# Altium PCB RFSOC_SAWG.PcbDoc (part 7 of 15) (continued)
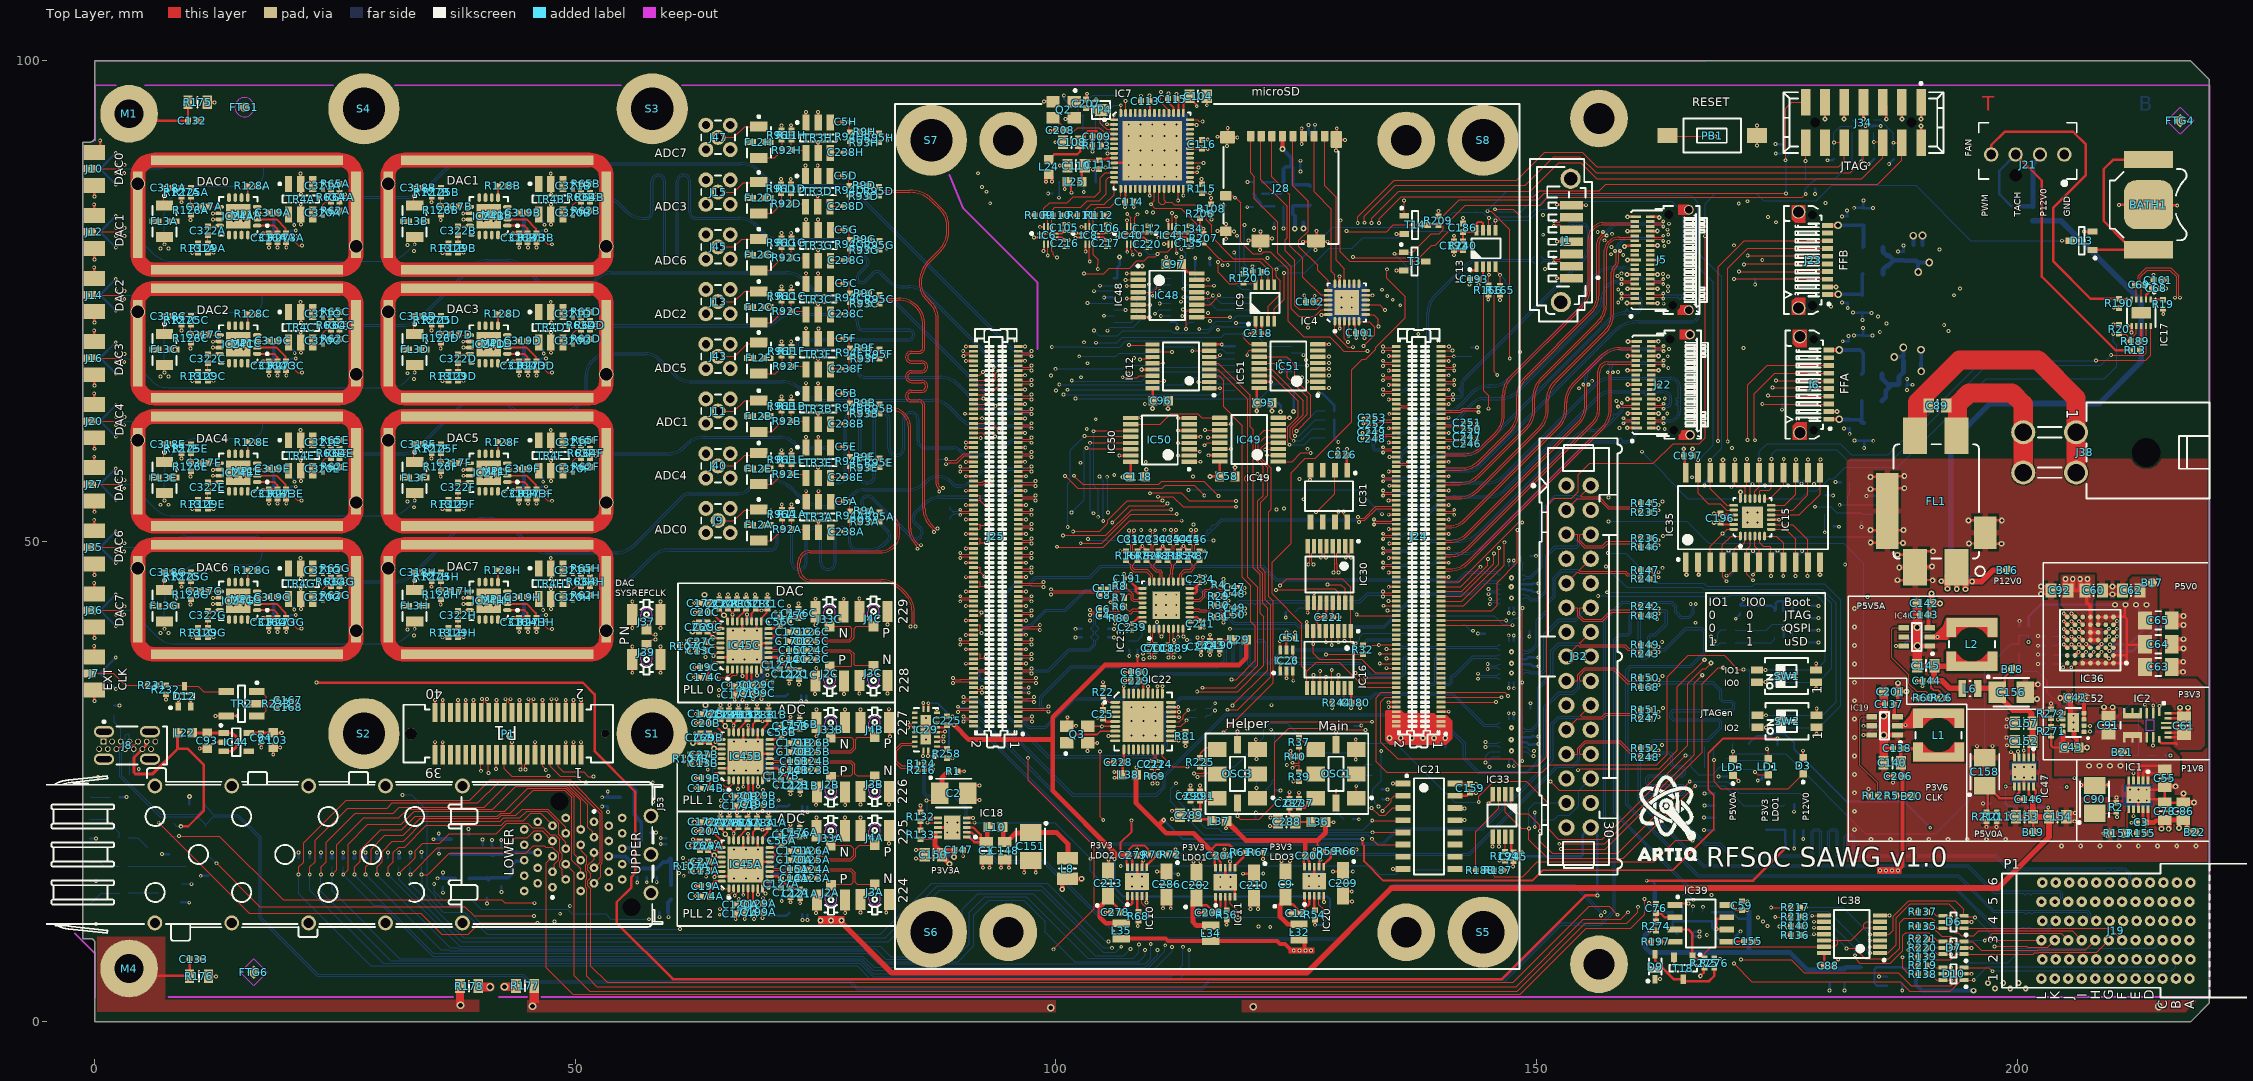
[diagram p0: Top Layer view]
## Nets (pads, with @x,y where several pads share a name; then routed paths per layer and width w, separated by ;. In a path a pad name is that pad's centre, name@x,y a point inside that pad or via, vN(x,y) a via of type N, cw(c..) or ccw(c..) an arc to the next point about the centre after c; other vN are vias at no path point) (continued)
DAC0C_P: J25.139 R64C.2 R65C.2 | length 83.6
  Top Layer w0.093: R65C.2@25.492,73.864 25.484,73.857 R64C.2@25.484,72.947 25.691,72.741 v1(26.1,72.741) ; J25.139@96.085,65.272 96.4,65.272 96.54,65.132 97.35,65.132 97.45,65.232 v1(97.45,65.286)
  Bottom Layer w0.093: v1@26,72.741 26.054,72.741 26.208,72.587 31.999,72.587 ccw(c31.999,75.127) 33.795,73.331 38.951,78.487 cw(c40.901,76.537) 40.901,79.295 42.924,79.295 cw(c42.924,76.539) 44.873,78.488 46.502,76.859 ccw(c47.55,77.907) 47.55,76.425 50.148,76.425 ccw(c50.148,78.965) 51.944,77.169 52.201,77.426 cw(c53.696,75.93) 53.696,78.045 71.924,78.045 cw(c71.924,75.289) 73.873,77.239 ; 73.873,77.238 75.038,76.073 ccw(c76.834,77.869) 76.834,75.329 81.84,75.329 cw(c81.84,72.573) 83.789,74.523 ; 83.789,74.522 92.435,65.876 ccw(c94.231,67.672) 94.231,65.132 97.242,65.132 97.396,65.286 v1(97.45,65.286)
DAC0D_N: J25.131 R62D.2 R64D.1 | length 83.5
  Top Layer w0.093: R62D.2@51.537,71.072 51.537,71.99 R64D.1@51.519,72.007 51.726,72.214 v1(52.136,72.214) ; J25.131@96.085,63.272 96.4,63.272 96.54,63.412 97.35,63.412 97.45,63.312 v1(97.45,63.259)
  Bottom Layer w0.093: v1(52.136,72.214) 52.206,72.214 52.344,72.352 69.771,72.352 ccw(c69.771,74.025) 70.953,72.842 70.956,72.844 cw(c72.538,71.262) 72.538,73.5 78.425,73.5 cw(c78.425,72.65) 79.275,72.65 79.275,72.493 ccw(c79.891,72.493) 79.891,71.877 84.702,71.877 cw(c84.702,71.48) 84.702,71.084 73.566,71.084 ccw(c73.566,70.467) 73.566,69.851 81.345,69.851 cw(c81.345,69.454) 81.345,69.058 79.891,69.058 ccw(c79.891,68.441) 79.275,68.441 79.275,67.755 ccw(c80.05,67.755) 80.05,66.98 87.918,66.98 cw(c87.918,64.44) 89.71,66.24 cw(c87.918,64.44) 89.714,66.236 91.883,64.067 ccw(c93.834,66.017) 91.887,64.063 ccw(c93.834,66.017) 93.83,63.259 ccw(c93.834,66.017) 93.834,63.259 v1(97.45,63.259)
DAC0D_P: J25.133 R64D.2 R65D.2 | length 83.6
  Top Layer w0.093: R65D.2@51.527,73.864 51.519,73.857 R64D.2@51.519,72.947 51.726,72.741 v1(52.136,72.741) ; J25.133@96.085,63.772 96.4,63.772 96.54,63.632 97.35,63.632 97.45,63.732 v1(97.45,63.786)
  Bottom Layer w0.093: v1(52.136,72.741) 52.176,72.741 52.344,72.572 69.768,72.572 ccw(c69.768,74.032) 70.8,73 70.803,73.003 cw(c72.534,71.272) 72.534,73.72 78.425,73.72 cw(c78.425,72.65) 79.495,72.65 79.495,72.493 ccw(c79.891,72.493) 79.891,72.097 84.702,72.097 cw(c84.702,71.48) 84.702,70.864 73.566,70.864 ccw(c73.566,70.467) 73.566,70.071 81.345,70.071 cw(c81.345,69.454) 81.345,68.838 79.891,68.838 ccw(c79.891,68.441) 79.495,68.441 79.495,67.755 ccw(c80.05,67.755) 80.05,67.2 87.919,67.2 cw(c87.919,64.444) 89.868,66.393 92.038,64.223 ccw(c93.834,66.019) 93.834,63.479 97.089,63.479 97.396,63.786 v1(97.45,63.786)
DAC0E_N: J25.125 R62E.2 R64E.1 | length 83.4
  Top Layer w0.093: R62E.2@25.502,57.737 25.502,58.655 R64E.1@25.484,58.672 25.691,58.879 v1(26.05,58.879) ; J25.125@96.085,61.772 96.4,61.772 96.54,61.912 97.35,61.912 97.45,61.812 v1(97.45,61.759)
  Bottom Layer w0.093: v1(26.05,58.879) 26.119,58.879 26.258,59.017 32.079,59.017 ccw(c32.079,61.49) 33.827,59.742 38.205,64.12 cw(c39.425,62.9) 39.425,64.625 41.398,64.625 cw(c41.398,62.085) 43.194,63.881 ccw(c44.102,64.789) 44.102,63.505 49.086,63.505 ccw(c49.086,65.147) 50.247,63.986 50.563,64.302 ccw(c48.916,65.949) 51.245,65.949 51.245,67.266 cw(c53.222,67.266) 51.824,68.664 cw(c53.6,66.889) 53.6,69.4 57.322,69.4 cw(c57.322,67.522) 58.65,68.85 60.192,67.308 ccw(c62.142,69.258) 62.139,66.5 ccw(c62.142,69.258) 62.142,66.5 71.523,66.5 cw(c71.523,63.96) 73.319,65.756 73.752,65.323 ; 73.753,65.322 ccw(c75.546,67.117) 75.546,64.58 87.093,64.58 cw(c87.093,62.04) 88.889,63.836 90.114,62.611 ccw(c91.8,64.296) 90.116,62.609 ccw(c91.8,64.296) 91.8,61.912 97.242,61.912 97.396,61.759 v1(97.45,61.759)
DAC0E_P: J25.127 R64E.2 R65E.2 | length 83.4
  Top Layer w0.093: R65E.2@25.492,60.529 25.484,60.522 R64E.2@25.484,59.612 25.691,59.406 v1(26.05,59.406) ; J25.127@96.085,62.272 96.4,62.272 96.54,62.132 97.35,62.132 97.45,62.232 v1(97.45,62.286)
  Bottom Layer w0.093: v1(26.05,59.406) 26.089,59.406 26.258,59.237 32.075,59.237 ccw(c32.075,61.499) 33.674,59.9 38.051,64.277 cw(c39.423,62.905) 39.423,64.845 41.399,64.845 cw(c41.399,62.089) 43.348,64.038 ccw(c44.103,64.793) 44.103,63.725 48.995,63.725 ccw(c48.995,65.367) 50.156,64.206 50.343,64.393 ccw(c48.696,66.04) 51.025,66.04 51.025,67.27 cw(c53.214,67.27) 51.666,68.817 51.733,68.884 cw(c53.509,67.109) 53.509,69.62 57.325,69.62 cw(c57.325,67.528) 58.804,69.007 60.347,67.464 ccw(c62.143,69.26) 62.143,66.72 71.524,66.72 cw(c71.524,63.964) 73.473,65.914 ; 73.473,65.913 73.843,65.543 ; 73.844,65.542 ccw(c75.637,67.337) 75.637,64.8 87.094,64.8 cw(c87.094,62.044) 89.043,63.994 ; 89.043,63.993 90.206,62.831 ccw(c91.891,64.516) 90.207,62.829 ccw(c91.891,64.516) 91.891,62.132 97.242,62.132 97.396,62.286 v1(97.45,62.286)
DAC0F_N: J25.119 R62F.2 R64F.1 | length 83.6
  Top Layer w0.093: R62F.2@51.537,57.737 51.537,58.655 R64F.1@51.519,58.672 51.726,58.879 v1(52.116,58.879) ; J25.119@96.085,60.272 96.4,60.272 96.54,60.412 97.35,60.412 97.45,60.312 v1(97.45,60.259)
  Bottom Layer w0.093: v1(52.116,58.879) 52.185,58.879 52.324,59.017 59.687,59.017 ccw(c59.687,61.412) 61.38,59.719 61.642,59.981 cw(c63.438,58.185) 63.438,60.725 71.206,60.725 cw(c71.206,58.506) 72.775,60.075 72.776,60.074 ccw(c73.884,61.181) 73.727,59.623 ccw(c73.884,61.181) 73.884,59.615 74.161,59.615 75.83,59.615 cw(c75.83,58.969) 76.477,58.969 76.477,56.846 ccw(c77.343,56.846) 78.21,56.846 78.21,62.625 cw(c78.856,62.625) 79.503,62.625 79.503,56.846 ccw(c80.369,56.846) 81.236,56.846 81.236,62.625 cw(c81.882,62.625) 82.529,62.625 82.529,59.692 ccw(c83.395,59.692) 84.262,59.692 84.262,62.625 cw(c84.908,62.625) 85.555,62.625 85.555,60.482 ccw(c86.421,60.482) 86.421,59.615 89.059,59.615 89.327,59.615 cw(c89.327,58.777) 89.443,59.607 cw(c89.327,58.777) 89.919,59.369 89.921,59.368 ccw(c91.038,60.485) 91.038,58.905 92.738,58.905 ccw(c92.738,61.663) 94.688,59.713 95.075,60.1 cw(c95.829,59.346) 95.829,60.412 97.242,60.412 97.396,60.259 v1(97.45,60.259)
DAC0F_P: J25.121 R64F.2 R65F.2 | length 83.5
  Top Layer w0.093: R65F.2@51.527,60.529 51.527,59.62 R64F.2@51.519,59.612 51.726,59.406 v1(52.116,59.406) ; J25.121@96.085,60.772 96.4,60.772 96.54,60.632 97.35,60.632 97.45,60.732 v1(97.45,60.786)
  Bottom Layer w0.093: v1(52.116,59.406) 52.155,59.406 52.324,59.237 59.686,59.237 ccw(c59.686,61.414) 61.225,59.875 61.487,60.137 cw(c63.437,58.187) 63.437,60.945 71.208,60.945 cw(c71.208,58.511) 72.929,60.232 72.931,60.231 ccw(c73.886,61.186) 73.825,59.836 ccw(c73.886,61.186) 73.886,59.835 74.161,59.835 75.83,59.835 cw(c75.83,58.969) 76.697,58.969 76.697,56.846 ccw(c77.343,56.846) 77.99,56.846 77.99,62.625 cw(c78.856,62.625) 79.723,62.625 79.723,56.846 ccw(c80.369,56.846) 81.016,56.846 81.016,62.625 cw(c81.882,62.625) 82.749,62.625 82.749,59.692 ccw(c83.395,59.692) 84.042,59.692 84.042,62.625 cw(c84.908,62.625) 85.775,62.625 85.775,60.482 ccw(c86.421,60.482) 86.421,59.835 89.059,59.835 89.33,59.835 cw(c89.33,58.784) 89.549,59.812 cw(c89.33,58.784) 90.073,59.527 90.075,59.525 ccw(c91.041,60.491) 91.041,59.125 92.737,59.125 ccw(c92.737,61.665) 94.533,59.869 94.92,60.256 cw(c95.828,59.348) 95.828,60.632 97.242,60.632 97.396,60.786 v1(97.45,60.786)
DAC0G_N: J25.107 R62G.2 R64G.1 | length 83.6
  Top Layer w0.093: R62G.2@25.502,44.402 25.484,44.419 R64G.1@25.484,45.337 25.691,45.544 v1(26.1,45.544) ; J25.107@96.085,57.272 96.4,57.272 96.54,57.412 97.35,57.412 97.45,57.312 v1(97.45,57.259)
  Bottom Layer w0.093: v1(26.1,45.544) 26.169,45.544 26.308,45.682 31.226,45.682 ccw(c31.226,48.44) 33.176,46.49 37.717,51.031 cw(c40.693,48.055) 40.693,52.264 cw(c40.693,48.055) 43.669,51.031 45.187,49.513 ccw(c47.137,51.463) 45.19,49.51 ccw(c47.137,51.463) 47.137,48.705 54.213,48.705 ccw(c54.213,51.463) 56.162,49.512 61.245,54.595 cw(c61.8,54.04) 61.8,54.825 66.807,54.825 ccw(c66.807,56.767) 68.18,55.394 cw(c70.255,53.32) 70.255,56.254 cw(c70.255,53.018) 72.544,55.306 73.202,54.648 ccw(c75.953,57.399) 75.953,53.509 76.081,53.509 ccw(c76.081,57.448) 79.081,54.894 cw(c79.999,53.976) 79.999,55.275 84.608,55.275 ccw(c84.608,58.033) 86.558,56.083 86.65,56.175 cw(c87.69,55.135) 87.69,56.606 cw(c87.69,54.692) 89.045,56.044 89.212,55.877 ccw(c89.759,56.424) 89.759,55.65 90.1,55.65 ccw(c90.095,56.995) 90.83,55.869 91.63,56.668 cw(c93.426,54.872) 93.426,57.412 97.242,57.412 97.396,57.259 v1(97.45,57.259)
DAC0G_P: J25.109 R64G.2 R65G.2 | length 83.5
  Top Layer w0.093: R65G.2@25.492,47.194 25.484,47.187 R64G.2@25.484,46.277 25.691,46.071 v1(26.1,46.071) ; J25.109@96.085,57.772 96.4,57.772 96.54,57.632 97.35,57.632 97.45,57.732 v1(97.45,57.786)
  Bottom Layer w0.093: v1(26.1,46.071) 26.139,46.071 26.308,45.902 31.225,45.902 ccw(c31.225,48.442) 33.021,46.646 37.562,51.187 cw(c40.692,48.057) 40.692,52.484 40.695,52.484 cw(c40.695,48.059) 43.823,51.188 45.342,49.669 ccw(c47.138,51.465) 47.138,48.925 54.212,48.925 ccw(c54.212,51.465) 54.443,48.936 ccw(c54.212,51.465) 55.837,49.513 ccw(c54.212,51.465) 56.008,49.669 61.091,54.752 cw(c61.798,54.044) 61.798,55.045 66.806,55.045 ccw(c66.806,56.769) 68.025,55.55 cw(c70.25,53.332) 70.25,56.474 70.257,56.474 cw(c70.257,53.021) 72.698,55.463 73.356,54.806 ccw(c75.956,57.406) 75.956,53.729 ccw(c75.956,57.707) 78.769,54.894 78.926,55.051 cw(c79.998,53.978) 79.998,55.495 84.607,55.495 ccw(c84.607,58.035) 86.403,56.239 86.496,56.332 cw(c87.688,55.14) 87.688,56.826 87.695,56.826 cw(c87.695,54.703) 89.2,56.2 89.367,56.033 ccw(c89.76,56.426) 89.76,55.87 90.099,55.87 ccw(c90.091,56.989) 90.701,56.051 91.311,56.661 91.475,56.825 cw(c93.425,54.875) 91.476,56.826 cw(c93.425,54.875) 93.425,57.632 97.242,57.632 97.396,57.786 v1(97.45,57.786)
DAC0H_N: J25.101 R62H.2 R64H.1 | length 83.5
  Top Layer w0.093: R62H.2@51.537,44.402 51.519,44.419 R64H.1@51.519,45.337 51.726,45.544 v1(52.075,45.544) ; J25.101@96.085,55.772 96.4,55.772 96.54,55.912 97.004,55.912 97.007,55.91 97.674,55.91 97.828,55.756 v1(97.882,55.756)
  Bottom Layer w0.093: v1(52.075,45.544) 52.144,45.544 52.283,45.682 54.758,45.682 ccw(c54.758,47.338) 55.928,46.167 58.003,48.242 cw(c59.799,46.446) 59.799,48.986 70.092,48.986 70.248,48.986 ccw(c70.248,49.852) 71.115,49.852 71.115,50.631 cw(c71.761,50.631) 72.408,50.631 72.408,47.83 ccw(c73.274,47.83) 74.141,47.83 74.141,50.631 cw(c74.787,50.631) 75.434,50.631 75.434,47.83 ccw(c76.3,47.83) 77.167,47.83 77.167,50.631 cw(c77.813,50.631) 78.46,50.631 78.46,49.852 ccw(c79.326,49.852) 79.326,48.986 80.304,48.986 80.43,48.986 ccw(c80.43,51.744) 82.379,49.793 ; 82.38,49.794 82.489,49.903 82.6,50.014 ccw(c82.058,50.556) 82.632,51.063 82.632,51.065 82.6,51.097 ; 82.6,51.098 80.04,53.657 cw(c80.428,54.043) 80.041,54.429 cw(c80.428,54.043) 80.815,54.428 84.884,50.359 ccw(c85.427,50.9) 85.969,50.358 ccw(c85.427,50.9) 86.001,51.408 86.001,51.41 85.969,51.442 85.385,52.026 cw(c85.771,52.412) 85.385,52.799 86.207,53.621 86.349,53.763 cw(c88.145,51.967) 88.145,54.507 93.675,54.507 ccw(c93.675,57.264) 95.625,55.314 95.693,55.382 ; 95.694,55.382 cw(c96.967,54.108) 96.967,55.91 97.674,55.91 97.828,55.756 v1(97.882,55.756)
DAC0H_P: J25.103 R64H.2 R65H.2 | length 83.5
  Top Layer w0.093: R65H.2@51.527,47.194 51.519,47.187 R64H.2@51.519,46.277 51.726,46.071 v1(52.075,46.071) ; J25.103@96.085,56.272 96.4,56.272 96.54,56.132 97.095,56.132 97.098,56.13 97.674,56.13 97.828,56.283 v1(97.882,56.283)
  Bottom Layer w0.093: v1(52.075,46.071) 52.114,46.071 52.283,45.902 54.755,45.902 ccw(c54.755,47.345) 55.775,46.325 57.848,48.398 cw(c59.798,46.448) 59.798,49.206 70.092,49.206 70.248,49.206 ccw(c70.248,49.852) 70.895,49.852 70.895,50.631 cw(c71.761,50.631) 72.628,50.631 72.628,47.83 ccw(c73.274,47.83) 73.921,47.83 73.921,50.631 cw(c74.787,50.631) 75.654,50.631 75.654,47.83 ccw(c76.3,47.83) 76.947,47.83 76.947,50.631 cw(c77.813,50.631) 78.68,50.631 78.68,49.852 ccw(c79.326,49.852) 79.326,49.206 80.304,49.206 80.429,49.206 ccw(c80.429,51.746) 82.225,49.95 82.333,50.058 82.444,50.169 ccw(c82.058,50.556) 82.444,50.943 79.886,53.5 cw(c80.428,54.043) 79.886,54.585 cw(c80.428,54.043) 80.935,54.617 80.937,54.617 80.969,54.585 85.042,50.512 ccw(c85.427,50.9) 85.813,50.514 ccw(c85.427,50.9) 85.813,51.287 85.229,51.87 ; 85.229,51.87 cw(c85.771,52.412) 85.229,52.954 86.051,53.776 86.194,53.919 cw(c88.144,51.969) 86.196,53.921 cw(c88.144,51.969) 88.144,54.726 93.674,54.726 ccw(c93.674,57.266) 95.47,55.47 95.602,55.602 cw(c96.876,54.328) 96.876,56.13 97.674,56.13 97.828,56.283 v1(97.882,56.283)
DAC_B0A_N: C320A.2 TR4A.4 | length 1.1
  Top Layer w0.1: TR4A.4@22.686,84.006 22.843,83.849 C320A.2@23.702,83.849
DAC_B0A_P: C321A.2 TR4A.3 | length 1.1
  Top Layer w0.1: TR4A.3@22.686,87.186 22.843,87.343 C321A.2@23.702,87.343
DAC_B0B_N: C320B.2 TR4B.4 | length 1.1
  Top Layer w0.1: TR4B.4@48.721,84.006 48.878,83.849 C320B.2@49.737,83.849
DAC_B0B_P: C321B.2 TR4B.3 | length 1.1
  Top Layer w0.1: TR4B.3@48.721,87.186 48.878,87.343 C321B.2@49.737,87.343
DAC_B0C_N: C320C.2 TR4C.4 | length 1.1
  Top Layer w0.1: TR4C.4@22.686,70.671 22.843,70.514 C320C.2@23.702,70.514
DAC_B0C_P: C321C.2 TR4C.3 | length 1.1
  Top Layer w0.1: TR4C.3@22.686,73.851 22.843,74.008 C321C.2@23.702,74.008
DAC_B0D_N: C320D.2 TR4D.4 | length 1.1
  Top Layer w0.1: TR4D.4@48.721,70.671 48.878,70.514 C320D.2@49.737,70.514
DAC_B0D_P: C321D.2 TR4D.3 | length 1.1
  Top Layer w0.1: TR4D.3@48.721,73.851 48.878,74.008 C321D.2@49.737,74.008
DAC_B0E_N: C320E.2 TR4E.4 | length 1.1
  Top Layer w0.1: TR4E.4@22.686,57.336 22.843,57.179 C320E.2@23.702,57.179
DAC_B0E_P: C321E.2 TR4E.3 | length 1.1
  Top Layer w0.1: TR4E.3@22.686,60.516 22.843,60.673 C321E.2@23.702,60.673
DAC_B0F_N: C320F.2 TR4F.4 | length 1.1
  Top Layer w0.1: TR4F.4@48.721,57.336 48.878,57.179 C320F.2@49.737,57.179
DAC_B0F_P: C321F.2 TR4F.3 | length 1.1
  Top Layer w0.1: TR4F.3@48.721,60.516 48.878,60.673 C321F.2@49.737,60.673
DAC_B0G_N: C320G.2 TR4G.4 | length 1.1
  Top Layer w0.1: TR4G.4@22.686,44.001 22.843,43.844 C320G.2@23.702,43.844
DAC_B0G_P: C321G.2 TR4G.3 | length 1.1
  Top Layer w0.1: TR4G.3@22.686,47.181 22.843,47.338 C321G.2@23.702,47.338
DAC_B0H_N: C320H.2 TR4H.4 | length 1.1
  Top Layer w0.1: TR4H.4@48.721,44.001 48.878,43.844 C320H.2@49.737,43.844
DAC_B0H_P: C321H.2 TR4H.3 | length 1.1
  Top Layer w0.1: TR4H.3@48.721,47.181 48.878,47.338 C321H.2@49.737,47.338
DAC_C0A_N: C320A.1 R62A.1 R63A.1 | length 2.3
  Top Layer w0.1: C320A.1@23.702,84.549 23.702,85.002 24.042,85.342 R63A.1@24.606,85.342 ; R63A.1@24.568,85.342 24.606,85.305 R62A.1@24.606,84.524
DAC_C0A_P: C321A.1 R63A.2 R65A.1 | length 1.9
  Top Layer w0.1: C321A.1@23.702,86.643 23.702,86.618 24.038,86.282 R63A.2@24.568,86.282 R65A.1@24.568,87.175
DAC_C0B_N: C320B.1 R62B.1 R63B.1 | length 2.5
  Top Layer w0.1: C320B.1@49.737,84.549 49.737,85.002 50.077,85.342 50.641,85.342 R63B.1@50.853,85.342 ; R63B.1@50.603,85.342 50.641,85.305 R62B.1@50.641,84.524
DAC_C0B_P: C321B.1 R63B.2 R65B.1 | length 2.2
  Top Layer w0.1: C321B.1@49.737,86.643 49.737,86.618 50.073,86.282 R63B.2@50.603,86.282 ; R65B.1@50.608,87.213 50.608,86.287 R63B.2@50.603,86.282 ; R63B.2@50.853,86.282 R63B.2@50.603,86.282
DAC_C0C_N: C320C.1 R62C.1 R63C.1 | length 2.3
  Top Layer w0.1: C320C.1@23.702,71.214 23.702,71.667 24.042,72.007 R63C.1@24.606,72.007 ; R63C.1@24.568,72.007 24.606,71.97 R62C.1@24.606,71.189
DAC_C0C_P: C321C.1 R63C.2 R65C.1 | length 2
  Top Layer w0.1: C321C.1@23.702,73.308 23.702,73.283 24.038,72.947 R63C.2@24.568,72.947 24.573,72.952 R65C.1@24.573,73.916
DAC_C0D_N: C320D.1 R62D.1 R63D.1 | length 2.3
  Top Layer w0.1: C320D.1@49.737,71.214 49.737,71.667 50.077,72.007 R63D.1@50.641,72.007 ; R63D.1@50.603,72.007 50.641,71.97 R62D.1@50.641,71.189
DAC_C0D_P: C321D.1 R63D.2 R65D.1 | length 2
  Top Layer w0.1: C321D.1@49.737,73.308 49.737,73.283 50.073,72.947 R63D.2@50.603,72.947 50.608,72.952 R65D.1@50.608,73.913
DAC_C0E_N: C320E.1 R62E.1 R63E.1 | length 2.3
  Top Layer w0.1: C320E.1@23.702,57.879 23.702,58.332 24.042,58.672 R63E.1@24.606,58.672 ; R63E.1@24.568,58.672 24.606,58.635 R62E.1@24.606,57.854
DAC_C0E_P: C321E.1 R63E.2 R65E.1 | length 2
  Top Layer w0.1: C321E.1@23.702,59.973 23.702,59.948 24.038,59.612 R63E.2@24.568,59.612 24.573,59.617 R65E.1@24.573,60.601
DAC_C0F_N: C320F.1 R62F.1 R63F.1 | length 2.3
  Top Layer w0.1: C320F.1@49.737,57.879 49.737,58.332 50.077,58.672 R63F.1@50.641,58.672 ; R63F.1@50.603,58.672 50.641,58.635 R62F.1@50.641,57.854
DAC_C0F_P: C321F.1 R63F.2 R65F.1 | length 2
  Top Layer w0.1: C321F.1@49.737,59.973 49.737,59.948 50.073,59.612 R63F.2@50.603,59.612 50.608,59.617 R65F.1@50.608,60.598
DAC_C0G_N: C320G.1 R62G.1 R63G.1 | length 2.3
  Top Layer w0.1: C320G.1@23.702,44.544 23.702,44.997 24.042,45.337 R63G.1@24.606,45.337 ; R63G.1@24.568,45.337 24.606,45.3 R62G.1@24.606,44.519
DAC_C0G_P: C321G.1 R63G.2 R65G.1 | length 1.9
  Top Layer w0.1: C321G.1@23.702,46.638 23.702,46.613 24.038,46.277 R63G.2@24.568,46.277 R65G.1@24.568,47.17
DAC_C0H_N: C320H.1 R62H.1 R63H.1 | length 2.3
  Top Layer w0.1: C320H.1@49.737,44.544 49.737,44.997 50.077,45.337 R63H.1@50.641,45.337 ; R63H.1@50.603,45.337 50.641,45.3 R62H.1@50.641,44.519
DAC_C0H_P: C321H.1 R63H.2 R65H.1 | length 2
  Top Layer w0.1: C321H.1@49.737,46.638 49.737,46.613 50.073,46.277 R63H.2@50.603,46.277 50.608,46.282 R65H.1@50.608,47.276
DAC_CLK_228_N: C15C.2 C124C.1 J25.113 | length 44.7
  Top Layer w0.093: J25.113@96.085,58.772 96.4,58.772 96.54,58.912 97.35,58.912 97.45,58.812 v1(97.45,58.759)
  Mid-Layer 6 w0.08: v8@73.617,38.57 v8(73.612,38.57) 73.609,38.57 73.322,38.283 72.767,38.283 72.495,38.01 72.495,37.325 72.777,37.042 74.739,37.042 89.246,51.55 91.043,51.55 91.621,52.129 91.621,55.204 92.55,56.132 92.55,57.975 93.494,58.919 93.95,58.919 94.136,58.919 94.403,59.185 94.403,59.75 94.548,59.895 94.838,59.895 94.983,59.75 94.983,57.787 95.249,57.521 95.71,57.521 95.977,57.787 95.977,58.774 96.122,58.919 96.325,58.919 97.243,58.919 97.403,58.759 v1(97.45,58.759)
DAC_CLK_228_P: C14C.2 C123C.1 J25.115 | length 44.6
  Top Layer w0.093: J25.115@96.085,59.272 96.4,59.272 96.54,59.132 97.35,59.132 97.45,59.232 v1(97.45,59.286)
  Mid-Layer 6 w0.08: v8@73.602,37.789 73.602,37.796 73.322,38.076 72.853,38.076 72.702,37.924 72.702,37.411 72.863,37.249 73.175,37.249 73.31,37.249 73.38,37.319 73.38,37.329 73.45,37.399 73.59,37.399 73.66,37.329 73.66,37.319 73.73,37.249 73.87,37.249 73.94,37.319 73.94,37.329 74.01,37.399 74.15,37.399 74.22,37.329 74.22,37.319 74.29,37.249 74.61,37.249 74.653,37.249 74.839,37.436 74.868,37.464 74.868,37.563 74.861,37.57 74.861,37.669 74.96,37.768 75.059,37.768 75.066,37.761 75.165,37.761 75.264,37.86 75.264,37.959 75.257,37.966 75.257,38.065 75.356,38.164 75.455,38.164 75.462,38.157 75.561,38.157 75.66,38.256 75.66,38.355 75.653,38.362 75.653,38.461 75.752,38.56 75.851,38.56 75.858,38.553 75.957,38.553 76.277,38.873 89.161,51.757 90.957,51.757 91.414,52.214 91.414,55.289 92.343,56.218 92.343,58.061 93.408,59.126 93.95,59.126 94.051,59.126 94.196,59.271 94.196,59.835 94.462,60.102 94.923,60.102 95.19,59.835 95.19,57.873 95.335,57.728 95.625,57.728 95.77,57.873 95.77,58.86 96.036,59.126 96.325,59.126 97.243,59.126 97.403,59.286 v1(97.45,59.286)
  other v8: 73.597,37.789
DAC_CLK_229_N: C126C.1 C171C.2 J25.143 | length 44.7
  Top Layer w0.093: J25.143@96.085,66.272 96.4,66.272 96.54,66.412 97.35,66.412 97.45,66.312 v1(97.45,66.259)
  Mid-Layer 6 w0.08: v8@73.617,40.47 v8(73.612,40.47) 73.609,40.47 73.322,40.183 72.893,40.183 72.741,40.335 72.702,40.374 72.702,40.655 72.772,40.725 72.782,40.725 72.852,40.795 72.852,40.935 72.782,41.005 72.772,41.005 72.702,41.075 72.702,41.402 73.018,41.718 73.325,41.718 73.645,41.718 73.715,41.648 73.715,41.638 73.785,41.568 73.925,41.568 73.995,41.638 73.995,41.648 74.065,41.718 74.205,41.718 74.275,41.648 74.275,41.638 74.345,41.568 74.485,41.568 74.555,41.638 74.555,41.648 74.625,41.718 74.925,41.718 75.4,41.718 75.72,41.718 75.79,41.648 75.79,41.638 75.86,41.568 76,41.568 76.07,41.638 76.07,41.648 76.14,41.718 76.724,41.718 76.865,41.718 78.65,43.503 78.65,44.057 80.85,46.257 81.093,46.257 91.725,56.889 91.725,65.482 92.662,66.419 97.243,66.419 97.403,66.259 v1(97.45,66.259)
DAC_CLK_229_P: C125C.1 C170C.2 J25.145 | length 44.9
  Top Layer w0.093: J25.145@96.085,66.772 96.4,66.772 96.54,66.632 97.35,66.632 97.45,66.732 v1(97.45,66.786)
  Mid-Layer 6 w0.08: v8@73.602,39.689 73.602,39.696 73.322,39.976 72.807,39.976 72.495,40.288 72.495,41.487 72.932,41.925 76.779,41.925 78.443,43.589 78.443,44.143 80.764,46.464 81.007,46.464 91.518,56.975 91.518,65.568 92.576,66.626 97.243,66.626 97.403,66.786 v1(97.45,66.786)
  other v8: 73.597,39.689
DAC_OUT0: FL3A.3 J10.1 | length 36.4
  Top Layer w0.1: J10.1@-0.5,88.75 v1(2.65,88.75) ; v1(7.25,80.905) FL3A.3@7.25,81.675
  Bottom Layer w0.1: v1(2.65,88.75) 6.622,88.75 ccw(c6.622,90.628) 7.95,89.3 cw(c9.459,87.791) 9.459,89.925 17.154,89.925 cw(c17.154,89.479) 17.6,89.479 17.6,88.393 cw(c16.157,88.393) 16.157,86.95 10.527,86.95 ccw(c10.527,83.746) 8.262,86.012 7.875,85.625 ccw(c9.384,84.116) 7.25,84.116 v1(7.25,80.905)
DAC_OUT1: FL3B.3 J12.1 | length 36.2
  Top Layer w0.1: J12.1@-0.5,82.187 v1(2.65,82.187) ; v1(33.285,80.905) FL3B.3@33.285,81.675
  Bottom Layer w0.1: v1(2.65,82.187) 3.254,82.187 cw(c3.254,80.779) 4.25,81.775 6.056,79.969 ccw(c8.033,81.946) 8.033,79.15 30.089,79.15 ccw(c30.089,82.629) 32.549,80.169 v1(33.285,80.905)
DAC_OUT2: FL3C.3 J14.1 | length 36.3
  Top Layer w0.1: J14.1@-0.5,75.625 v1(2.65,75.625) ; v1(7.25,67.57) FL3C.3@7.25,68.34
  Bottom Layer w0.1: v1(2.65,75.625) 6.622,75.625 ccw(c6.622,77.503) 7.95,76.175 cw(c9.459,74.666) 9.459,76.8 15.975,76.8 cw(c15.975,75.35) 17.425,75.35 17.425,74.975 cw(c16.275,74.975) 16.275,73.825 10.302,73.825 9.67,73.825 ccw(c9.67,71.604) 8.9,73.687 ccw(c9.67,71.604) 8.1,73.175 7.75,72.825 ccw(c8.957,71.618) 7.322,72.109 ccw(c8.957,71.618) 7.25,71.618 v1(7.25,67.57)
DAC_OUT3: FL3D.3 J16.1 | length 36.2
  Top Layer w0.1: J16.1@-0.5,69.062 v1(2.65,69.062) ; v1(33.285,67.57) FL3D.3@33.285,68.34
  Bottom Layer w0.1: v1(2.65,69.062) 2.954,69.062 cw(c2.954,67.654) 3.95,68.65 5.856,66.744 ccw(c7.652,68.54) 7.652,66 30.804,66 ccw(c30.804,68.199) 32.359,66.644 v1(33.285,67.57)
DAC_OUT4: FL3E.3 J20.1 | length 36.2
  Top Layer w0.1: J20.1@-0.5,62.5 v1(2.65,62.5) ; v1(7.25,54.235) FL3E.3@7.25,55.005
  Bottom Layer w0.1: v1(2.65,62.5) 6.622,62.5 ccw(c6.622,64.378) 7.95,63.05 cw(c9.459,61.541) 9.459,63.675 16.75,63.675 cw(c16.75,62.95) 17.475,62.95 17.475,62.025 cw(c16.15,62.025) 16.15,60.7 10.702,60.7 ccw(c10.702,58.16) 8.906,59.956 7.994,59.044 ccw(c9.79,57.248) 7.25,57.248 v1(7.25,54.235)
DAC_OUT5: FL3F.3 J27.1 | length 36.3
  Top Layer w0.1: J27.1@-0.5,55.937 v1(2.65,55.937) ; v1(33.285,54.235) FL3F.3@33.285,55.005
  Bottom Layer w0.1: v1(2.65,55.937) 3.144,55.937 cw(c3.144,54.444) 4.2,55.5 6.306,53.394 ccw(c8.102,55.19) 8.102,52.65 30.507,52.65 ccw(c30.507,55.531) 32.544,53.494 v1(33.285,54.235)
DAC_OUT6: FL3G.3 J35.1 | length 36.2
  Top Layer w0.1: J35.1@-0.5,49.375 v1(2.65,49.375) ; v1(7.25,40.9) FL3G.3@7.25,41.67
  Bottom Layer w0.1: v1(2.65,49.375) 6.622,49.375 ccw(c6.622,51.253) 7.95,49.925 cw(c9.459,48.416) 9.459,50.55 16.746,50.55 cw(c16.746,49.896) 17.4,49.896 17.4,48.65 cw(c16.325,48.65) 16.325,47.575 10.702,47.575 ccw(c10.702,45.88) 9.504,47.079 7.994,45.569 ccw(c9.79,43.773) 7.25,43.773 v1(7.25,40.9)
DAC_OUT7: FL3H.3 J36.1 | length 36.4
  Top Layer w0.1: J36.1@-0.5,42.813 v1(2.65,42.813) ; v1(33.285,40.9) FL3H.3@33.285,41.67
  Bottom Layer w0.1: v1(2.65,42.813) 3.321,42.813 cw(c3.321,41.746) 4.075,42.5 6.506,40.069 ccw(c8.302,41.865) 8.302,39.325 30.481,39.325 ccw(c30.481,42.292) 32.579,40.194 v1(33.285,40.9)
DAC_S0A: C319A.1 TR4A.6 | length 1.3
  Top Layer w0.1: C319A.1@18.945,84.199 19.953,84.199 TR4A.6@20.146,84.006
DAC_S0B: C319B.1 TR4B.6 | length 1.3
  Top Layer w0.1: C319B.1@44.98,84.199 45.988,84.199 TR4B.6@46.181,84.006
DAC_S0C: C319C.1 TR4C.6 | length 1.3
  Top Layer w0.1: C319C.1@18.945,70.864 19.953,70.864 TR4C.6@20.146,70.671
DAC_S0D: C319D.1 TR4D.6 | length 1.3
  Top Layer w0.1: C319D.1@44.98,70.864 45.988,70.864 TR4D.6@46.181,70.671
DAC_S0E: C319E.1 TR4E.6 | length 1.3
  Top Layer w0.1: C319E.1@18.945,57.529 19.953,57.529 TR4E.6@20.146,57.336
DAC_S0F: C319F.1 TR4F.6 | length 1.3
  Top Layer w0.1: C319F.1@44.98,57.529 45.988,57.529 TR4F.6@46.181,57.336
DAC_S0G: C319G.1 TR4G.6 | length 1.3
  Top Layer w0.1: C319G.1@18.945,44.194 19.953,44.194 TR4G.6@20.146,44.001
DAC_S0H: C319H.1 TR4H.6 | length 1.3
  Top Layer w0.1: C319H.1@44.98,44.194 45.988,44.194 TR4H.6@46.181,44.001
DAC_SYSREFCLK_N: J25.110 J37.1 | length 43.7
  Top Layer w0.093: J37.1@57.4,40.85 57.4,40.825 57.854,40.372 57.878,40.372 58.04,40.21 58.151,40.21 58.242,40.301 v1(58.325,40.301) ; v1(90.05,57.786) 90.05,57.732 90.15,57.632 90.96,57.632 91.1,57.772 J25.110@91.415,57.772
  Mid-Layer 6 w0.08: v1(58.325,40.301) 58.372,40.301 58.532,40.141 60.316,40.141 60.65,40.475 60.65,43.618 62.657,45.625 76.312,45.625 88.313,57.626 89.843,57.626 90.003,57.786 v1(90.05,57.786)
DAC_SYSREFCLK_P: J25.108 J39.1 | length 43.6
  Top Layer w0.093: J39.1@57.4,39.225 57.854,39.679 57.854,39.72 57.908,39.774 v1(58.325,39.774) ; v1(90.05,57.259) 90.05,57.312 90.15,57.412 90.96,57.412 91.1,57.272 J25.108@91.415,57.272
  Mid-Layer 6 w0.08: v1(58.325,39.774) 58.372,39.774 58.532,39.934 60.402,39.934 60.857,40.389 60.857,43.532 62.743,45.418 76.398,45.418 88.399,57.419 89.843,57.419 90.003,57.259 v1(90.05,57.259)
DCDC_EN: IC2.1 IC52.1 R105.2 R106.2 | length 31
  Top Layer w0.127: IC52.1@206.975,30.175 206.987,30.188 207.513,30.188 v1@207.525,30.2 ; IC2.1@214.82,32.25 214.822,32.253 214.822,32.872 v1(214.825,32.875)
  Mid-Layer 3 w0.127: v1(205.175,24.425) 205.175,25.525 207.9,28.25 207.9,29.881 v1(207.581,30.2)
  Bottom Layer w0.127: R105.2@200.25,38.38 200.25,37.05 200.825,36.475 202.125,36.475 203.125,35.475 203.125,34.25 204.3,33.075 205.55,33.075 206.85,31.775 206.85,30.55 207.19,30.21 207.571,30.21 v1(207.581,30.2) 208.925,30.2 212.45,33.725 213.975,33.725 v1(214.825,32.875) ; R106.2@204.32,24.45 204.335,24.435 v1@205.115,24.435
DSPLL0_SCL: IC15.17 IC35.20 R104.1 | length 6
  Top Layer w0.127: v1(170.65,58.52) 170.65,57.15 IC35.20@170.625,57.125 170.625,55.875 170.8,55.7 171.6,55.7 171.725,55.575 IC15.17@171.725,54.45
  Bottom Layer w0.127: R104.1@170.625,57.565 170.65,57.59 v1(170.65,58.52)
DSPLL0_SDA: IC15.16 IC35.19 R103.1 | length 5.2
  Top Layer w0.127: v1(171.92,58.55) 171.92,57.15 IC35.19@171.895,57.125 171.895,55.905 172.225,55.575 IC15.16@172.225,54.45
  Bottom Layer w0.127: R103.1@171.895,57.595 171.92,57.62 v1(171.92,58.55)